# Allegro board LED_FIN.brd (continued)
## Nets (continued)
ROW_OUT_B23: D4981.3(ANODE) D4982.3(ANODE) D4983.3(ANODE) D4984.3(ANODE) D4985.3(ANODE) D4986.3(ANODE) D4987.3(ANODE) D4988.3(ANODE) D4989.3(ANODE) D4990.3(ANODE) D4991.3(ANODE) D4992.3(ANODE) D4993.3(ANODE) D4994.3(ANODE) D4995.3(ANODE) D4996.3(ANODE) D4997.3(ANODE) D4998.3(ANODE) D4999.3(ANODE) D5000.3(ANODE) D5001.3(ANODE) D5002.3(ANODE) D5003.3(ANODE) D5004.3(ANODE) D5005.3(ANODE) D5006.3(ANODE) D5007.3(ANODE) D5008.3(ANODE) D5009.3(ANODE) D5010.3(ANODE) D6121.3(ANODE) D6122.3(ANODE) D6123.3(ANODE) D6124.3(ANODE) D6125.3(ANODE) D6126.3(ANODE) D6127.3(ANODE) D6128.3(ANODE) D6129.3(ANODE) D6130.3(ANODE) D6131.3(ANODE) D6132.3(ANODE) D6133.3(ANODE) D6134.3(ANODE) D6135.3(ANODE) D6136.3(ANODE) D6137.3(ANODE) D6138.3(ANODE) D6139.3(ANODE) D6140.3(ANODE) D6141.3(ANODE) D6142.3(ANODE) D6143.3(ANODE) D6144.3(ANODE) D6145.3(ANODE) D6146.3(ANODE) D6147.3(ANODE) D6148.3(ANODE) D6149.3(ANODE) D6150.3(ANODE) D7261.3(ANODE) D7262.3(ANODE) D7263.3(ANODE) D7264.3(ANODE) D7265.3(ANODE) D7266.3(ANODE) D7267.3(ANODE) D7268.3(ANODE) D7269.3(ANODE) D7270.3(ANODE) D7271.3(ANODE) D7272.3(ANODE) D7273.3(ANODE) D7274.3(ANODE) D7275.3(ANODE) D7276.3(ANODE) D7277.3(ANODE) D7278.3(ANODE) D7279.3(ANODE) D7280.3(ANODE) D7281.3(ANODE) D7282.3(ANODE) D7283.3(ANODE) D7284.3(ANODE) D7285.3(ANODE) D7286.3(ANODE) D7287.3(ANODE) D7288.3(ANODE) D7289.3(ANODE) D7290.3(ANODE) D8401.3(ANODE) D8402.3(ANODE) D8403.3(ANODE) D8404.3(ANODE) D8405.3(ANODE) D8406.3(ANODE) D8407.3(ANODE) D8408.3(ANODE) D8409.3(ANODE) D8410.3(ANODE) D8411.3(ANODE) D8412.3(ANODE) D8413.3(ANODE) D8414.3(ANODE) D8415.3(ANODE) D8416.3(ANODE) D8417.3(ANODE) D8418.3(ANODE) D8419.3(ANODE) D8420.3(ANODE) D8421.3(ANODE) D8422.3(ANODE) D8423.3(ANODE) D8424.3(ANODE) D8425.3(ANODE) D8426.3(ANODE) D8427.3(ANODE) D8428.3(ANODE) D8429.3(ANODE) D8430.3(ANODE) U53.1(DRAIN)
ROW_OUT_B24: D4951.3(ANODE) D4952.3(ANODE) D4953.3(ANODE) D4954.3(ANODE) D4955.3(ANODE) D4956.3(ANODE) D4957.3(ANODE) D4958.3(ANODE) D4959.3(ANODE) D4960.3(ANODE) D4961.3(ANODE) D4962.3(ANODE) D4963.3(ANODE) D4964.3(ANODE) D4965.3(ANODE) D4966.3(ANODE) D4967.3(ANODE) D4968.3(ANODE) D4969.3(ANODE) D4970.3(ANODE) D4971.3(ANODE) D4972.3(ANODE) D4973.3(ANODE) D4974.3(ANODE) D4975.3(ANODE) D4976.3(ANODE) D4977.3(ANODE) D4978.3(ANODE) D4979.3(ANODE) D4980.3(ANODE) D6091.3(ANODE) D6092.3(ANODE) D6093.3(ANODE) D6094.3(ANODE) D6095.3(ANODE) D6096.3(ANODE) D6097.3(ANODE) D6098.3(ANODE) D6099.3(ANODE) D6100.3(ANODE) D6101.3(ANODE) D6102.3(ANODE) D6103.3(ANODE) D6104.3(ANODE) D6105.3(ANODE) D6106.3(ANODE) D6107.3(ANODE) D6108.3(ANODE) D6109.3(ANODE) D6110.3(ANODE) D6111.3(ANODE) D6112.3(ANODE) D6113.3(ANODE) D6114.3(ANODE) D6115.3(ANODE) D6116.3(ANODE) D6117.3(ANODE) D6118.3(ANODE) D6119.3(ANODE) D6120.3(ANODE) D7231.3(ANODE) D7232.3(ANODE) D7233.3(ANODE) D7234.3(ANODE) D7235.3(ANODE) D7236.3(ANODE) D7237.3(ANODE) D7238.3(ANODE) D7239.3(ANODE) D7240.3(ANODE) D7241.3(ANODE) D7242.3(ANODE) D7243.3(ANODE) D7244.3(ANODE) D7245.3(ANODE) D7246.3(ANODE) D7247.3(ANODE) D7248.3(ANODE) D7249.3(ANODE) D7250.3(ANODE) D7251.3(ANODE) D7252.3(ANODE) D7253.3(ANODE) D7254.3(ANODE) D7255.3(ANODE) D7256.3(ANODE) D7257.3(ANODE) D7258.3(ANODE) D7259.3(ANODE) D7260.3(ANODE) D8371.3(ANODE) D8372.3(ANODE) D8373.3(ANODE) D8374.3(ANODE) D8375.3(ANODE) D8376.3(ANODE) D8377.3(ANODE) D8378.3(ANODE) D8379.3(ANODE) D8380.3(ANODE) D8381.3(ANODE) D8382.3(ANODE) D8383.3(ANODE) D8384.3(ANODE) D8385.3(ANODE) D8386.3(ANODE) D8387.3(ANODE) D8388.3(ANODE) D8389.3(ANODE) D8390.3(ANODE) D8391.3(ANODE) D8392.3(ANODE) D8393.3(ANODE) D8394.3(ANODE) D8395.3(ANODE) D8396.3(ANODE) D8397.3(ANODE) D8398.3(ANODE) D8399.3(ANODE) D8400.3(ANODE) U52.1(DRAIN)
ROW_OUT_B25: D4921.3(ANODE) D4922.3(ANODE) D4923.3(ANODE) D4924.3(ANODE) D4925.3(ANODE) D4926.3(ANODE) D4927.3(ANODE) D4928.3(ANODE) D4929.3(ANODE) D4930.3(ANODE) D4931.3(ANODE) D4932.3(ANODE) D4933.3(ANODE) D4934.3(ANODE) D4935.3(ANODE) D4936.3(ANODE) D4937.3(ANODE) D4938.3(ANODE) D4939.3(ANODE) D4940.3(ANODE) D4941.3(ANODE) D4942.3(ANODE) D4943.3(ANODE) D4944.3(ANODE) D4945.3(ANODE) D4946.3(ANODE) D4947.3(ANODE) D4948.3(ANODE) D4949.3(ANODE) D4950.3(ANODE) D6061.3(ANODE) D6062.3(ANODE) D6063.3(ANODE) D6064.3(ANODE) D6065.3(ANODE) D6066.3(ANODE) D6067.3(ANODE) D6068.3(ANODE) D6069.3(ANODE) D6070.3(ANODE) D6071.3(ANODE) D6072.3(ANODE) D6073.3(ANODE) D6074.3(ANODE) D6075.3(ANODE) D6076.3(ANODE) D6077.3(ANODE) D6078.3(ANODE) D6079.3(ANODE) D6080.3(ANODE) D6081.3(ANODE) D6082.3(ANODE) D6083.3(ANODE) D6084.3(ANODE) D6085.3(ANODE) D6086.3(ANODE) D6087.3(ANODE) D6088.3(ANODE) D6089.3(ANODE) D6090.3(ANODE) D7201.3(ANODE) D7202.3(ANODE) D7203.3(ANODE) D7204.3(ANODE) D7205.3(ANODE) D7206.3(ANODE) D7207.3(ANODE) D7208.3(ANODE) D7209.3(ANODE) D7210.3(ANODE) D7211.3(ANODE) D7212.3(ANODE) D7213.3(ANODE) D7214.3(ANODE) D7215.3(ANODE) D7216.3(ANODE) D7217.3(ANODE) D7218.3(ANODE) D7219.3(ANODE) D7220.3(ANODE) D7221.3(ANODE) D7222.3(ANODE) D7223.3(ANODE) D7224.3(ANODE) D7225.3(ANODE) D7226.3(ANODE) D7227.3(ANODE) D7228.3(ANODE) D7229.3(ANODE) D7230.3(ANODE) D8341.3(ANODE) D8342.3(ANODE) D8343.3(ANODE) D8344.3(ANODE) D8345.3(ANODE) D8346.3(ANODE) D8347.3(ANODE) D8348.3(ANODE) D8349.3(ANODE) D8350.3(ANODE) D8351.3(ANODE) D8352.3(ANODE) D8353.3(ANODE) D8354.3(ANODE) D8355.3(ANODE) D8356.3(ANODE) D8357.3(ANODE) D8358.3(ANODE) D8359.3(ANODE) D8360.3(ANODE) D8361.3(ANODE) D8362.3(ANODE) D8363.3(ANODE) D8364.3(ANODE) D8365.3(ANODE) D8366.3(ANODE) D8367.3(ANODE) D8368.3(ANODE) D8369.3(ANODE) D8370.3(ANODE) U51.1(DRAIN)
ROW_OUT_B26: D4891.3(ANODE) D4892.3(ANODE) D4893.3(ANODE) D4894.3(ANODE) D4895.3(ANODE) D4896.3(ANODE) D4897.3(ANODE) D4898.3(ANODE) D4899.3(ANODE) D4900.3(ANODE) D4901.3(ANODE) D4902.3(ANODE) D4903.3(ANODE) D4904.3(ANODE) D4905.3(ANODE) D4906.3(ANODE) D4907.3(ANODE) D4908.3(ANODE) D4909.3(ANODE) D4910.3(ANODE) D4911.3(ANODE) D4912.3(ANODE) D4913.3(ANODE) D4914.3(ANODE) D4915.3(ANODE) D4916.3(ANODE) D4917.3(ANODE) D4918.3(ANODE) D4919.3(ANODE) D4920.3(ANODE) D6031.3(ANODE) D6032.3(ANODE) D6033.3(ANODE) D6034.3(ANODE) D6035.3(ANODE) D6036.3(ANODE) D6037.3(ANODE) D6038.3(ANODE) D6039.3(ANODE) D6040.3(ANODE) D6041.3(ANODE) D6042.3(ANODE) D6043.3(ANODE) D6044.3(ANODE) D6045.3(ANODE) D6046.3(ANODE) D6047.3(ANODE) D6048.3(ANODE) D6049.3(ANODE) D6050.3(ANODE) D6051.3(ANODE) D6052.3(ANODE) D6053.3(ANODE) D6054.3(ANODE) D6055.3(ANODE) D6056.3(ANODE) D6057.3(ANODE) D6058.3(ANODE) D6059.3(ANODE) D6060.3(ANODE) D7171.3(ANODE) D7172.3(ANODE) D7173.3(ANODE) D7174.3(ANODE) D7175.3(ANODE) D7176.3(ANODE) D7177.3(ANODE) D7178.3(ANODE) D7179.3(ANODE) D7180.3(ANODE) D7181.3(ANODE) D7182.3(ANODE) D7183.3(ANODE) D7184.3(ANODE) D7185.3(ANODE) D7186.3(ANODE) D7187.3(ANODE) D7188.3(ANODE) D7189.3(ANODE) D7190.3(ANODE) D7191.3(ANODE) D7192.3(ANODE) D7193.3(ANODE) D7194.3(ANODE) D7195.3(ANODE) D7196.3(ANODE) D7197.3(ANODE) D7198.3(ANODE) D7199.3(ANODE) D7200.3(ANODE) D8311.3(ANODE) D8312.3(ANODE) D8313.3(ANODE) D8314.3(ANODE) D8315.3(ANODE) D8316.3(ANODE) D8317.3(ANODE) D8318.3(ANODE) D8319.3(ANODE) D8320.3(ANODE) D8321.3(ANODE) D8322.3(ANODE) D8323.3(ANODE) D8324.3(ANODE) D8325.3(ANODE) D8326.3(ANODE) D8327.3(ANODE) D8328.3(ANODE) D8329.3(ANODE) D8330.3(ANODE) D8331.3(ANODE) D8332.3(ANODE) D8333.3(ANODE) D8334.3(ANODE) D8335.3(ANODE) D8336.3(ANODE) D8337.3(ANODE) D8338.3(ANODE) D8339.3(ANODE) D8340.3(ANODE) U50.1(DRAIN)
ROW_OUT_B27: D4861.3(ANODE) D4862.3(ANODE) D4863.3(ANODE) D4864.3(ANODE) D4865.3(ANODE) D4866.3(ANODE) D4867.3(ANODE) D4868.3(ANODE) D4869.3(ANODE) D4870.3(ANODE) D4871.3(ANODE) D4872.3(ANODE) D4873.3(ANODE) D4874.3(ANODE) D4875.3(ANODE) D4876.3(ANODE) D4877.3(ANODE) D4878.3(ANODE) D4879.3(ANODE) D4880.3(ANODE) D4881.3(ANODE) D4882.3(ANODE) D4883.3(ANODE) D4884.3(ANODE) D4885.3(ANODE) D4886.3(ANODE) D4887.3(ANODE) D4888.3(ANODE) D4889.3(ANODE) D4890.3(ANODE) D6001.3(ANODE) D6002.3(ANODE) D6003.3(ANODE) D6004.3(ANODE) D6005.3(ANODE) D6006.3(ANODE) D6007.3(ANODE) D6008.3(ANODE) D6009.3(ANODE) D6010.3(ANODE) D6011.3(ANODE) D6012.3(ANODE) D6013.3(ANODE) D6014.3(ANODE) D6015.3(ANODE) D6016.3(ANODE) D6017.3(ANODE) D6018.3(ANODE) D6019.3(ANODE) D6020.3(ANODE) D6021.3(ANODE) D6022.3(ANODE) D6023.3(ANODE) D6024.3(ANODE) D6025.3(ANODE) D6026.3(ANODE) D6027.3(ANODE) D6028.3(ANODE) D6029.3(ANODE) D6030.3(ANODE) D7141.3(ANODE) D7142.3(ANODE) D7143.3(ANODE) D7144.3(ANODE) D7145.3(ANODE) D7146.3(ANODE) D7147.3(ANODE) D7148.3(ANODE) D7149.3(ANODE) D7150.3(ANODE) D7151.3(ANODE) D7152.3(ANODE) D7153.3(ANODE) D7154.3(ANODE) D7155.3(ANODE) D7156.3(ANODE) D7157.3(ANODE) D7158.3(ANODE) D7159.3(ANODE) D7160.3(ANODE) D7161.3(ANODE) D7162.3(ANODE) D7163.3(ANODE) D7164.3(ANODE) D7165.3(ANODE) D7166.3(ANODE) D7167.3(ANODE) D7168.3(ANODE) D7169.3(ANODE) D7170.3(ANODE) D8281.3(ANODE) D8282.3(ANODE) D8283.3(ANODE) D8284.3(ANODE) D8285.3(ANODE) D8286.3(ANODE) D8287.3(ANODE) D8288.3(ANODE) D8289.3(ANODE) D8290.3(ANODE) D8291.3(ANODE) D8292.3(ANODE) D8293.3(ANODE) D8294.3(ANODE) D8295.3(ANODE) D8296.3(ANODE) D8297.3(ANODE) D8298.3(ANODE) D8299.3(ANODE) D8300.3(ANODE) D8301.3(ANODE) D8302.3(ANODE) D8303.3(ANODE) D8304.3(ANODE) D8305.3(ANODE) D8306.3(ANODE) D8307.3(ANODE) D8308.3(ANODE) D8309.3(ANODE) D8310.3(ANODE) U49.1(DRAIN)
ROW_OUT_B28: D4831.3(ANODE) D4832.3(ANODE) D4833.3(ANODE) D4834.3(ANODE) D4835.3(ANODE) D4836.3(ANODE) D4837.3(ANODE) D4838.3(ANODE) D4839.3(ANODE) D4840.3(ANODE) D4841.3(ANODE) D4842.3(ANODE) D4843.3(ANODE) D4844.3(ANODE) D4845.3(ANODE) D4846.3(ANODE) D4847.3(ANODE) D4848.3(ANODE) D4849.3(ANODE) D4850.3(ANODE) D4851.3(ANODE) D4852.3(ANODE) D4853.3(ANODE) D4854.3(ANODE) D4855.3(ANODE) D4856.3(ANODE) D4857.3(ANODE) D4858.3(ANODE) D4859.3(ANODE) D4860.3(ANODE) D5971.3(ANODE) D5972.3(ANODE) D5973.3(ANODE) D5974.3(ANODE) D5975.3(ANODE) D5976.3(ANODE) D5977.3(ANODE) D5978.3(ANODE) D5979.3(ANODE) D5980.3(ANODE) D5981.3(ANODE) D5982.3(ANODE) D5983.3(ANODE) D5984.3(ANODE) D5985.3(ANODE) D5986.3(ANODE) D5987.3(ANODE) D5988.3(ANODE) D5989.3(ANODE) D5990.3(ANODE) D5991.3(ANODE) D5992.3(ANODE) D5993.3(ANODE) D5994.3(ANODE) D5995.3(ANODE) D5996.3(ANODE) D5997.3(ANODE) D5998.3(ANODE) D5999.3(ANODE) D6000.3(ANODE) D7111.3(ANODE) D7112.3(ANODE) D7113.3(ANODE) D7114.3(ANODE) D7115.3(ANODE) D7116.3(ANODE) D7117.3(ANODE) D7118.3(ANODE) D7119.3(ANODE) D7120.3(ANODE) D7121.3(ANODE) D7122.3(ANODE) D7123.3(ANODE) D7124.3(ANODE) D7125.3(ANODE) D7126.3(ANODE) D7127.3(ANODE) D7128.3(ANODE) D7129.3(ANODE) D7130.3(ANODE) D7131.3(ANODE) D7132.3(ANODE) D7133.3(ANODE) D7134.3(ANODE) D7135.3(ANODE) D7136.3(ANODE) D7137.3(ANODE) D7138.3(ANODE) D7139.3(ANODE) D7140.3(ANODE) D8251.3(ANODE) D8252.3(ANODE) D8253.3(ANODE) D8254.3(ANODE) D8255.3(ANODE) D8256.3(ANODE) D8257.3(ANODE) D8258.3(ANODE) D8259.3(ANODE) D8260.3(ANODE) D8261.3(ANODE) D8262.3(ANODE) D8263.3(ANODE) D8264.3(ANODE) D8265.3(ANODE) D8266.3(ANODE) D8267.3(ANODE) D8268.3(ANODE) D8269.3(ANODE) D8270.3(ANODE) D8271.3(ANODE) D8272.3(ANODE) D8273.3(ANODE) D8274.3(ANODE) D8275.3(ANODE) D8276.3(ANODE) D8277.3(ANODE) D8278.3(ANODE) D8279.3(ANODE) D8280.3(ANODE) U48.1(DRAIN)
ROW_OUT_B29: D4801.3(ANODE) D4802.3(ANODE) D4803.3(ANODE) D4804.3(ANODE) D4805.3(ANODE) D4806.3(ANODE) D4807.3(ANODE) D4808.3(ANODE) D4809.3(ANODE) D4810.3(ANODE) D4811.3(ANODE) D4812.3(ANODE) D4813.3(ANODE) D4814.3(ANODE) D4815.3(ANODE) D4816.3(ANODE) D4817.3(ANODE) D4818.3(ANODE) D4819.3(ANODE) D4820.3(ANODE) D4821.3(ANODE) D4822.3(ANODE) D4823.3(ANODE) D4824.3(ANODE) D4825.3(ANODE) D4826.3(ANODE) D4827.3(ANODE) D4828.3(ANODE) D4829.3(ANODE) D4830.3(ANODE) D5941.3(ANODE) D5942.3(ANODE) D5943.3(ANODE) D5944.3(ANODE) D5945.3(ANODE) D5946.3(ANODE) D5947.3(ANODE) D5948.3(ANODE) D5949.3(ANODE) D5950.3(ANODE) D5951.3(ANODE) D5952.3(ANODE) D5953.3(ANODE) D5954.3(ANODE) D5955.3(ANODE) D5956.3(ANODE) D5957.3(ANODE) D5958.3(ANODE) D5959.3(ANODE) D5960.3(ANODE) D5961.3(ANODE) D5962.3(ANODE) D5963.3(ANODE) D5964.3(ANODE) D5965.3(ANODE) D5966.3(ANODE) D5967.3(ANODE) D5968.3(ANODE) D5969.3(ANODE) D5970.3(ANODE) D7081.3(ANODE) D7082.3(ANODE) D7083.3(ANODE) D7084.3(ANODE) D7085.3(ANODE) D7086.3(ANODE) D7087.3(ANODE) D7088.3(ANODE) D7089.3(ANODE) D7090.3(ANODE) D7091.3(ANODE) D7092.3(ANODE) D7093.3(ANODE) D7094.3(ANODE) D7095.3(ANODE) D7096.3(ANODE) D7097.3(ANODE) D7098.3(ANODE) D7099.3(ANODE) D7100.3(ANODE) D7101.3(ANODE) D7102.3(ANODE) D7103.3(ANODE) D7104.3(ANODE) D7105.3(ANODE) D7106.3(ANODE) D7107.3(ANODE) D7108.3(ANODE) D7109.3(ANODE) D7110.3(ANODE) D8221.3(ANODE) D8222.3(ANODE) D8223.3(ANODE) D8224.3(ANODE) D8225.3(ANODE) D8226.3(ANODE) D8227.3(ANODE) D8228.3(ANODE) D8229.3(ANODE) D8230.3(ANODE) D8231.3(ANODE) D8232.3(ANODE) D8233.3(ANODE) D8234.3(ANODE) D8235.3(ANODE) D8236.3(ANODE) D8237.3(ANODE) D8238.3(ANODE) D8239.3(ANODE) D8240.3(ANODE) D8241.3(ANODE) D8242.3(ANODE) D8243.3(ANODE) D8244.3(ANODE) D8245.3(ANODE) D8246.3(ANODE) D8247.3(ANODE) D8248.3(ANODE) D8249.3(ANODE) D8250.3(ANODE) U47.1(DRAIN)
ROW_OUT_B30: D4771.3(ANODE) D4772.3(ANODE) D4773.3(ANODE) D4774.3(ANODE) D4775.3(ANODE) D4776.3(ANODE) D4777.3(ANODE) D4778.3(ANODE) D4779.3(ANODE) D4780.3(ANODE) D4781.3(ANODE) D4782.3(ANODE) D4783.3(ANODE) D4784.3(ANODE) D4785.3(ANODE) D4786.3(ANODE) D4787.3(ANODE) D4788.3(ANODE) D4789.3(ANODE) D4790.3(ANODE) D4791.3(ANODE) D4792.3(ANODE) D4793.3(ANODE) D4794.3(ANODE) D4795.3(ANODE) D4796.3(ANODE) D4797.3(ANODE) D4798.3(ANODE) D4799.3(ANODE) D4800.3(ANODE) D5911.3(ANODE) D5912.3(ANODE) D5913.3(ANODE) D5914.3(ANODE) D5915.3(ANODE) D5916.3(ANODE) D5917.3(ANODE) D5918.3(ANODE) D5919.3(ANODE) D5920.3(ANODE) D5921.3(ANODE) D5922.3(ANODE) D5923.3(ANODE) D5924.3(ANODE) D5925.3(ANODE) D5926.3(ANODE) D5927.3(ANODE) D5928.3(ANODE) D5929.3(ANODE) D5930.3(ANODE) D5931.3(ANODE) D5932.3(ANODE) D5933.3(ANODE) D5934.3(ANODE) D5935.3(ANODE) D5936.3(ANODE) D5937.3(ANODE) D5938.3(ANODE) D5939.3(ANODE) D5940.3(ANODE) D7051.3(ANODE) D7052.3(ANODE) D7053.3(ANODE) D7054.3(ANODE) D7055.3(ANODE) D7056.3(ANODE) D7057.3(ANODE) D7058.3(ANODE) D7059.3(ANODE) D7060.3(ANODE) D7061.3(ANODE) D7062.3(ANODE) D7063.3(ANODE) D7064.3(ANODE) D7065.3(ANODE) D7066.3(ANODE) D7067.3(ANODE) D7068.3(ANODE) D7069.3(ANODE) D7070.3(ANODE) D7071.3(ANODE) D7072.3(ANODE) D7073.3(ANODE) D7074.3(ANODE) D7075.3(ANODE) D7076.3(ANODE) D7077.3(ANODE) D7078.3(ANODE) D7079.3(ANODE) D7080.3(ANODE) D8191.3(ANODE) D8192.3(ANODE) D8193.3(ANODE) D8194.3(ANODE) D8195.3(ANODE) D8196.3(ANODE) D8197.3(ANODE) D8198.3(ANODE) D8199.3(ANODE) D8200.3(ANODE) D8201.3(ANODE) D8202.3(ANODE) D8203.3(ANODE) D8204.3(ANODE) D8205.3(ANODE) D8206.3(ANODE) D8207.3(ANODE) D8208.3(ANODE) D8209.3(ANODE) D8210.3(ANODE) D8211.3(ANODE) D8212.3(ANODE) D8213.3(ANODE) D8214.3(ANODE) D8215.3(ANODE) D8216.3(ANODE) D8217.3(ANODE) D8218.3(ANODE) D8219.3(ANODE) D8220.3(ANODE) U46.1(DRAIN)
ROW_OUT_B31: D4741.3(ANODE) D4742.3(ANODE) D4743.3(ANODE) D4744.3(ANODE) D4745.3(ANODE) D4746.3(ANODE) D4747.3(ANODE) D4748.3(ANODE) D4749.3(ANODE) D4750.3(ANODE) D4751.3(ANODE) D4752.3(ANODE) D4753.3(ANODE) D4754.3(ANODE) D4755.3(ANODE) D4756.3(ANODE) D4757.3(ANODE) D4758.3(ANODE) D4759.3(ANODE) D4760.3(ANODE) D4761.3(ANODE) D4762.3(ANODE) D4763.3(ANODE) D4764.3(ANODE) D4765.3(ANODE) D4766.3(ANODE) D4767.3(ANODE) D4768.3(ANODE) D4769.3(ANODE) D4770.3(ANODE) D5881.3(ANODE) D5882.3(ANODE) D5883.3(ANODE) D5884.3(ANODE) D5885.3(ANODE) D5886.3(ANODE) D5887.3(ANODE) D5888.3(ANODE) D5889.3(ANODE) D5890.3(ANODE) D5891.3(ANODE) D5892.3(ANODE) D5893.3(ANODE) D5894.3(ANODE) D5895.3(ANODE) D5896.3(ANODE) D5897.3(ANODE) D5898.3(ANODE) D5899.3(ANODE) D5900.3(ANODE) D5901.3(ANODE) D5902.3(ANODE) D5903.3(ANODE) D5904.3(ANODE) D5905.3(ANODE) D5906.3(ANODE) D5907.3(ANODE) D5908.3(ANODE) D5909.3(ANODE) D5910.3(ANODE) D7021.3(ANODE) D7022.3(ANODE) D7023.3(ANODE) D7024.3(ANODE) D7025.3(ANODE) D7026.3(ANODE) D7027.3(ANODE) D7028.3(ANODE) D7029.3(ANODE) D7030.3(ANODE) D7031.3(ANODE) D7032.3(ANODE) D7033.3(ANODE) D7034.3(ANODE) D7035.3(ANODE) D7036.3(ANODE) D7037.3(ANODE) D7038.3(ANODE) D7039.3(ANODE) D7040.3(ANODE) D7041.3(ANODE) D7042.3(ANODE) D7043.3(ANODE) D7044.3(ANODE) D7045.3(ANODE) D7046.3(ANODE) D7047.3(ANODE) D7048.3(ANODE) D7049.3(ANODE) D7050.3(ANODE) D8161.3(ANODE) D8162.3(ANODE) D8163.3(ANODE) D8164.3(ANODE) D8165.3(ANODE) D8166.3(ANODE) D8167.3(ANODE) D8168.3(ANODE) D8169.3(ANODE) D8170.3(ANODE) D8171.3(ANODE) D8172.3(ANODE) D8173.3(ANODE) D8174.3(ANODE) D8175.3(ANODE) D8176.3(ANODE) D8177.3(ANODE) D8178.3(ANODE) D8179.3(ANODE) D8180.3(ANODE) D8181.3(ANODE) D8182.3(ANODE) D8183.3(ANODE) D8184.3(ANODE) D8185.3(ANODE) D8186.3(ANODE) D8187.3(ANODE) D8188.3(ANODE) D8189.3(ANODE) D8190.3(ANODE) U45.1(DRAIN)
ROW_OUT_B32: D4711.3(ANODE) D4712.3(ANODE) D4713.3(ANODE) D4714.3(ANODE) D4715.3(ANODE) D4716.3(ANODE) D4717.3(ANODE) D4718.3(ANODE) D4719.3(ANODE) D4720.3(ANODE) D4721.3(ANODE) D4722.3(ANODE) D4723.3(ANODE) D4724.3(ANODE) D4725.3(ANODE) D4726.3(ANODE) D4727.3(ANODE) D4728.3(ANODE) D4729.3(ANODE) D4730.3(ANODE) D4731.3(ANODE) D4732.3(ANODE) D4733.3(ANODE) D4734.3(ANODE) D4735.3(ANODE) D4736.3(ANODE) D4737.3(ANODE) D4738.3(ANODE) D4739.3(ANODE) D4740.3(ANODE) D5851.3(ANODE) D5852.3(ANODE) D5853.3(ANODE) D5854.3(ANODE) D5855.3(ANODE) D5856.3(ANODE) D5857.3(ANODE) D5858.3(ANODE) D5859.3(ANODE) D5860.3(ANODE) D5861.3(ANODE) D5862.3(ANODE) D5863.3(ANODE) D5864.3(ANODE) D5865.3(ANODE) D5866.3(ANODE) D5867.3(ANODE) D5868.3(ANODE) D5869.3(ANODE) D5870.3(ANODE) D5871.3(ANODE) D5872.3(ANODE) D5873.3(ANODE) D5874.3(ANODE) D5875.3(ANODE) D5876.3(ANODE) D5877.3(ANODE) D5878.3(ANODE) D5879.3(ANODE) D5880.3(ANODE) D6991.3(ANODE) D6992.3(ANODE) D6993.3(ANODE) D6994.3(ANODE) D6995.3(ANODE) D6996.3(ANODE) D6997.3(ANODE) D6998.3(ANODE) D6999.3(ANODE) D7000.3(ANODE) D7001.3(ANODE) D7002.3(ANODE) D7003.3(ANODE) D7004.3(ANODE) D7005.3(ANODE) D7006.3(ANODE) D7007.3(ANODE) D7008.3(ANODE) D7009.3(ANODE) D7010.3(ANODE) D7011.3(ANODE) D7012.3(ANODE) D7013.3(ANODE) D7014.3(ANODE) D7015.3(ANODE) D7016.3(ANODE) D7017.3(ANODE) D7018.3(ANODE) D7019.3(ANODE) D7020.3(ANODE) D8131.3(ANODE) D8132.3(ANODE) D8133.3(ANODE) D8134.3(ANODE) D8135.3(ANODE) D8136.3(ANODE) D8137.3(ANODE) D8138.3(ANODE) D8139.3(ANODE) D8140.3(ANODE) D8141.3(ANODE) D8142.3(ANODE) D8143.3(ANODE) D8144.3(ANODE) D8145.3(ANODE) D8146.3(ANODE) D8147.3(ANODE) D8148.3(ANODE) D8149.3(ANODE) D8150.3(ANODE) D8151.3(ANODE) D8152.3(ANODE) D8153.3(ANODE) D8154.3(ANODE) D8155.3(ANODE) D8156.3(ANODE) D8157.3(ANODE) D8158.3(ANODE) D8159.3(ANODE) D8160.3(ANODE) U44.1(DRAIN)
ROW_OUT_B33: D4681.3(ANODE) D4682.3(ANODE) D4683.3(ANODE) D4684.3(ANODE) D4685.3(ANODE) D4686.3(ANODE) D4687.3(ANODE) D4688.3(ANODE) D4689.3(ANODE) D4690.3(ANODE) D4691.3(ANODE) D4692.3(ANODE) D4693.3(ANODE) D4694.3(ANODE) D4695.3(ANODE) D4696.3(ANODE) D4697.3(ANODE) D4698.3(ANODE) D4699.3(ANODE) D4700.3(ANODE) D4701.3(ANODE) D4702.3(ANODE) D4703.3(ANODE) D4704.3(ANODE) D4705.3(ANODE) D4706.3(ANODE) D4707.3(ANODE) D4708.3(ANODE) D4709.3(ANODE) D4710.3(ANODE) D5821.3(ANODE) D5822.3(ANODE) D5823.3(ANODE) D5824.3(ANODE) D5825.3(ANODE) D5826.3(ANODE) D5827.3(ANODE) D5828.3(ANODE) D5829.3(ANODE) D5830.3(ANODE) D5831.3(ANODE) D5832.3(ANODE) D5833.3(ANODE) D5834.3(ANODE) D5835.3(ANODE) D5836.3(ANODE) D5837.3(ANODE) D5838.3(ANODE) D5839.3(ANODE) D5840.3(ANODE) D5841.3(ANODE) D5842.3(ANODE) D5843.3(ANODE) D5844.3(ANODE) D5845.3(ANODE) D5846.3(ANODE) D5847.3(ANODE) D5848.3(ANODE) D5849.3(ANODE) D5850.3(ANODE) D6961.3(ANODE) D6962.3(ANODE) D6963.3(ANODE) D6964.3(ANODE) D6965.3(ANODE) D6966.3(ANODE) D6967.3(ANODE) D6968.3(ANODE) D6969.3(ANODE) D6970.3(ANODE) D6971.3(ANODE) D6972.3(ANODE) D6973.3(ANODE) D6974.3(ANODE) D6975.3(ANODE) D6976.3(ANODE) D6977.3(ANODE) D6978.3(ANODE) D6979.3(ANODE) D6980.3(ANODE) D6981.3(ANODE) D6982.3(ANODE) D6983.3(ANODE) D6984.3(ANODE) D6985.3(ANODE) D6986.3(ANODE) D6987.3(ANODE) D6988.3(ANODE) D6989.3(ANODE) D6990.3(ANODE) D8101.3(ANODE) D8102.3(ANODE) D8103.3(ANODE) D8104.3(ANODE) D8105.3(ANODE) D8106.3(ANODE) D8107.3(ANODE) D8108.3(ANODE) D8109.3(ANODE) D8110.3(ANODE) D8111.3(ANODE) D8112.3(ANODE) D8113.3(ANODE) D8114.3(ANODE) D8115.3(ANODE) D8116.3(ANODE) D8117.3(ANODE) D8118.3(ANODE) D8119.3(ANODE) D8120.3(ANODE) D8121.3(ANODE) D8122.3(ANODE) D8123.3(ANODE) D8124.3(ANODE) D8125.3(ANODE) D8126.3(ANODE) D8127.3(ANODE) D8128.3(ANODE) D8129.3(ANODE) D8130.3(ANODE) U43.1(DRAIN)
ROW_OUT_B34: D4651.3(ANODE) D4652.3(ANODE) D4653.3(ANODE) D4654.3(ANODE) D4655.3(ANODE) D4656.3(ANODE) D4657.3(ANODE) D4658.3(ANODE) D4659.3(ANODE) D4660.3(ANODE) D4661.3(ANODE) D4662.3(ANODE) D4663.3(ANODE) D4664.3(ANODE) D4665.3(ANODE) D4666.3(ANODE) D4667.3(ANODE) D4668.3(ANODE) D4669.3(ANODE) D4670.3(ANODE) D4671.3(ANODE) D4672.3(ANODE) D4673.3(ANODE) D4674.3(ANODE) D4675.3(ANODE) D4676.3(ANODE) D4677.3(ANODE) D4678.3(ANODE) D4679.3(ANODE) D4680.3(ANODE) D5791.3(ANODE) D5792.3(ANODE) D5793.3(ANODE) D5794.3(ANODE) D5795.3(ANODE) D5796.3(ANODE) D5797.3(ANODE) D5798.3(ANODE) D5799.3(ANODE) D5800.3(ANODE) D5801.3(ANODE) D5802.3(ANODE) D5803.3(ANODE) D5804.3(ANODE) D5805.3(ANODE) D5806.3(ANODE) D5807.3(ANODE) D5808.3(ANODE) D5809.3(ANODE) D5810.3(ANODE) D5811.3(ANODE) D5812.3(ANODE) D5813.3(ANODE) D5814.3(ANODE) D5815.3(ANODE) D5816.3(ANODE) D5817.3(ANODE) D5818.3(ANODE) D5819.3(ANODE) D5820.3(ANODE) D6931.3(ANODE) D6932.3(ANODE) D6933.3(ANODE) D6934.3(ANODE) D6935.3(ANODE) D6936.3(ANODE) D6937.3(ANODE) D6938.3(ANODE) D6939.3(ANODE) D6940.3(ANODE) D6941.3(ANODE) D6942.3(ANODE) D6943.3(ANODE) D6944.3(ANODE) D6945.3(ANODE) D6946.3(ANODE) D6947.3(ANODE) D6948.3(ANODE) D6949.3(ANODE) D6950.3(ANODE) D6951.3(ANODE) D6952.3(ANODE) D6953.3(ANODE) D6954.3(ANODE) D6955.3(ANODE) D6956.3(ANODE) D6957.3(ANODE) D6958.3(ANODE) D6959.3(ANODE) D6960.3(ANODE) D8071.3(ANODE) D8072.3(ANODE) D8073.3(ANODE) D8074.3(ANODE) D8075.3(ANODE) D8076.3(ANODE) D8077.3(ANODE) D8078.3(ANODE) D8079.3(ANODE) D8080.3(ANODE) D8081.3(ANODE) D8082.3(ANODE) D8083.3(ANODE) D8084.3(ANODE) D8085.3(ANODE) D8086.3(ANODE) D8087.3(ANODE) D8088.3(ANODE) D8089.3(ANODE) D8090.3(ANODE) D8091.3(ANODE) D8092.3(ANODE) D8093.3(ANODE) D8094.3(ANODE) D8095.3(ANODE) D8096.3(ANODE) D8097.3(ANODE) D8098.3(ANODE) D8099.3(ANODE) D8100.3(ANODE) U42.1(DRAIN)
ROW_OUT_B35: D4621.3(ANODE) D4622.3(ANODE) D4623.3(ANODE) D4624.3(ANODE) D4625.3(ANODE) D4626.3(ANODE) D4627.3(ANODE) D4628.3(ANODE) D4629.3(ANODE) D4630.3(ANODE) D4631.3(ANODE) D4632.3(ANODE) D4633.3(ANODE) D4634.3(ANODE) D4635.3(ANODE) D4636.3(ANODE) D4637.3(ANODE) D4638.3(ANODE) D4639.3(ANODE) D4640.3(ANODE) D4641.3(ANODE) D4642.3(ANODE) D4643.3(ANODE) D4644.3(ANODE) D4645.3(ANODE) D4646.3(ANODE) D4647.3(ANODE) D4648.3(ANODE) D4649.3(ANODE) D4650.3(ANODE) D5761.3(ANODE) D5762.3(ANODE) D5763.3(ANODE) D5764.3(ANODE) D5765.3(ANODE) D5766.3(ANODE) D5767.3(ANODE) D5768.3(ANODE) D5769.3(ANODE) D5770.3(ANODE) D5771.3(ANODE) D5772.3(ANODE) D5773.3(ANODE) D5774.3(ANODE) D5775.3(ANODE) D5776.3(ANODE) D5777.3(ANODE) D5778.3(ANODE) D5779.3(ANODE) D5780.3(ANODE) D5781.3(ANODE) D5782.3(ANODE) D5783.3(ANODE) D5784.3(ANODE) D5785.3(ANODE) D5786.3(ANODE) D5787.3(ANODE) D5788.3(ANODE) D5789.3(ANODE) D5790.3(ANODE) D6901.3(ANODE) D6902.3(ANODE) D6903.3(ANODE) D6904.3(ANODE) D6905.3(ANODE) D6906.3(ANODE) D6907.3(ANODE) D6908.3(ANODE) D6909.3(ANODE) D6910.3(ANODE) D6911.3(ANODE) D6912.3(ANODE) D6913.3(ANODE) D6914.3(ANODE) D6915.3(ANODE) D6916.3(ANODE) D6917.3(ANODE) D6918.3(ANODE) D6919.3(ANODE) D6920.3(ANODE) D6921.3(ANODE) D6922.3(ANODE) D6923.3(ANODE) D6924.3(ANODE) D6925.3(ANODE) D6926.3(ANODE) D6927.3(ANODE) D6928.3(ANODE) D6929.3(ANODE) D6930.3(ANODE) D8041.3(ANODE) D8042.3(ANODE) D8043.3(ANODE) D8044.3(ANODE) D8045.3(ANODE) D8046.3(ANODE) D8047.3(ANODE) D8048.3(ANODE) D8049.3(ANODE) D8050.3(ANODE) D8051.3(ANODE) D8052.3(ANODE) D8053.3(ANODE) D8054.3(ANODE) D8055.3(ANODE) D8056.3(ANODE) D8057.3(ANODE) D8058.3(ANODE) D8059.3(ANODE) D8060.3(ANODE) D8061.3(ANODE) D8062.3(ANODE) D8063.3(ANODE) D8064.3(ANODE) D8065.3(ANODE) D8066.3(ANODE) D8067.3(ANODE) D8068.3(ANODE) D8069.3(ANODE) D8070.3(ANODE) U41.1(DRAIN)
ROW_OUT_B36: D4591.3(ANODE) D4592.3(ANODE) D4593.3(ANODE) D4594.3(ANODE) D4595.3(ANODE) D4596.3(ANODE) D4597.3(ANODE) D4598.3(ANODE) D4599.3(ANODE) D4600.3(ANODE) D4601.3(ANODE) D4602.3(ANODE) D4603.3(ANODE) D4604.3(ANODE) D4605.3(ANODE) D4606.3(ANODE) D4607.3(ANODE) D4608.3(ANODE) D4609.3(ANODE) D4610.3(ANODE) D4611.3(ANODE) D4612.3(ANODE) D4613.3(ANODE) D4614.3(ANODE) D4615.3(ANODE) D4616.3(ANODE) D4617.3(ANODE) D4618.3(ANODE) D4619.3(ANODE) D4620.3(ANODE) D5731.3(ANODE) D5732.3(ANODE) D5733.3(ANODE) D5734.3(ANODE) D5735.3(ANODE) D5736.3(ANODE) D5737.3(ANODE) D5738.3(ANODE) D5739.3(ANODE) D5740.3(ANODE) D5741.3(ANODE) D5742.3(ANODE) D5743.3(ANODE) D5744.3(ANODE) D5745.3(ANODE) D5746.3(ANODE) D5747.3(ANODE) D5748.3(ANODE) D5749.3(ANODE) D5750.3(ANODE) D5751.3(ANODE) D5752.3(ANODE) D5753.3(ANODE) D5754.3(ANODE) D5755.3(ANODE) D5756.3(ANODE) D5757.3(ANODE) D5758.3(ANODE) D5759.3(ANODE) D5760.3(ANODE) D6871.3(ANODE) D6872.3(ANODE) D6873.3(ANODE) D6874.3(ANODE) D6875.3(ANODE) D6876.3(ANODE) D6877.3(ANODE) D6878.3(ANODE) D6879.3(ANODE) D6880.3(ANODE) D6881.3(ANODE) D6882.3(ANODE) D6883.3(ANODE) D6884.3(ANODE) D6885.3(ANODE) D6886.3(ANODE) D6887.3(ANODE) D6888.3(ANODE) D6889.3(ANODE) D6890.3(ANODE) D6891.3(ANODE) D6892.3(ANODE) D6893.3(ANODE) D6894.3(ANODE) D6895.3(ANODE) D6896.3(ANODE) D6897.3(ANODE) D6898.3(ANODE) D6899.3(ANODE) D6900.3(ANODE) D8011.3(ANODE) D8012.3(ANODE) D8013.3(ANODE) D8014.3(ANODE) D8015.3(ANODE) D8016.3(ANODE) D8017.3(ANODE) D8018.3(ANODE) D8019.3(ANODE) D8020.3(ANODE) D8021.3(ANODE) D8022.3(ANODE) D8023.3(ANODE) D8024.3(ANODE) D8025.3(ANODE) D8026.3(ANODE) D8027.3(ANODE) D8028.3(ANODE) D8029.3(ANODE) D8030.3(ANODE) D8031.3(ANODE) D8032.3(ANODE) D8033.3(ANODE) D8034.3(ANODE) D8035.3(ANODE) D8036.3(ANODE) D8037.3(ANODE) D8038.3(ANODE) D8039.3(ANODE) D8040.3(ANODE) U40.1(DRAIN)